# Altium PCB 3-as-manufactured.pcbdoc (part 4 of 12) (continued)
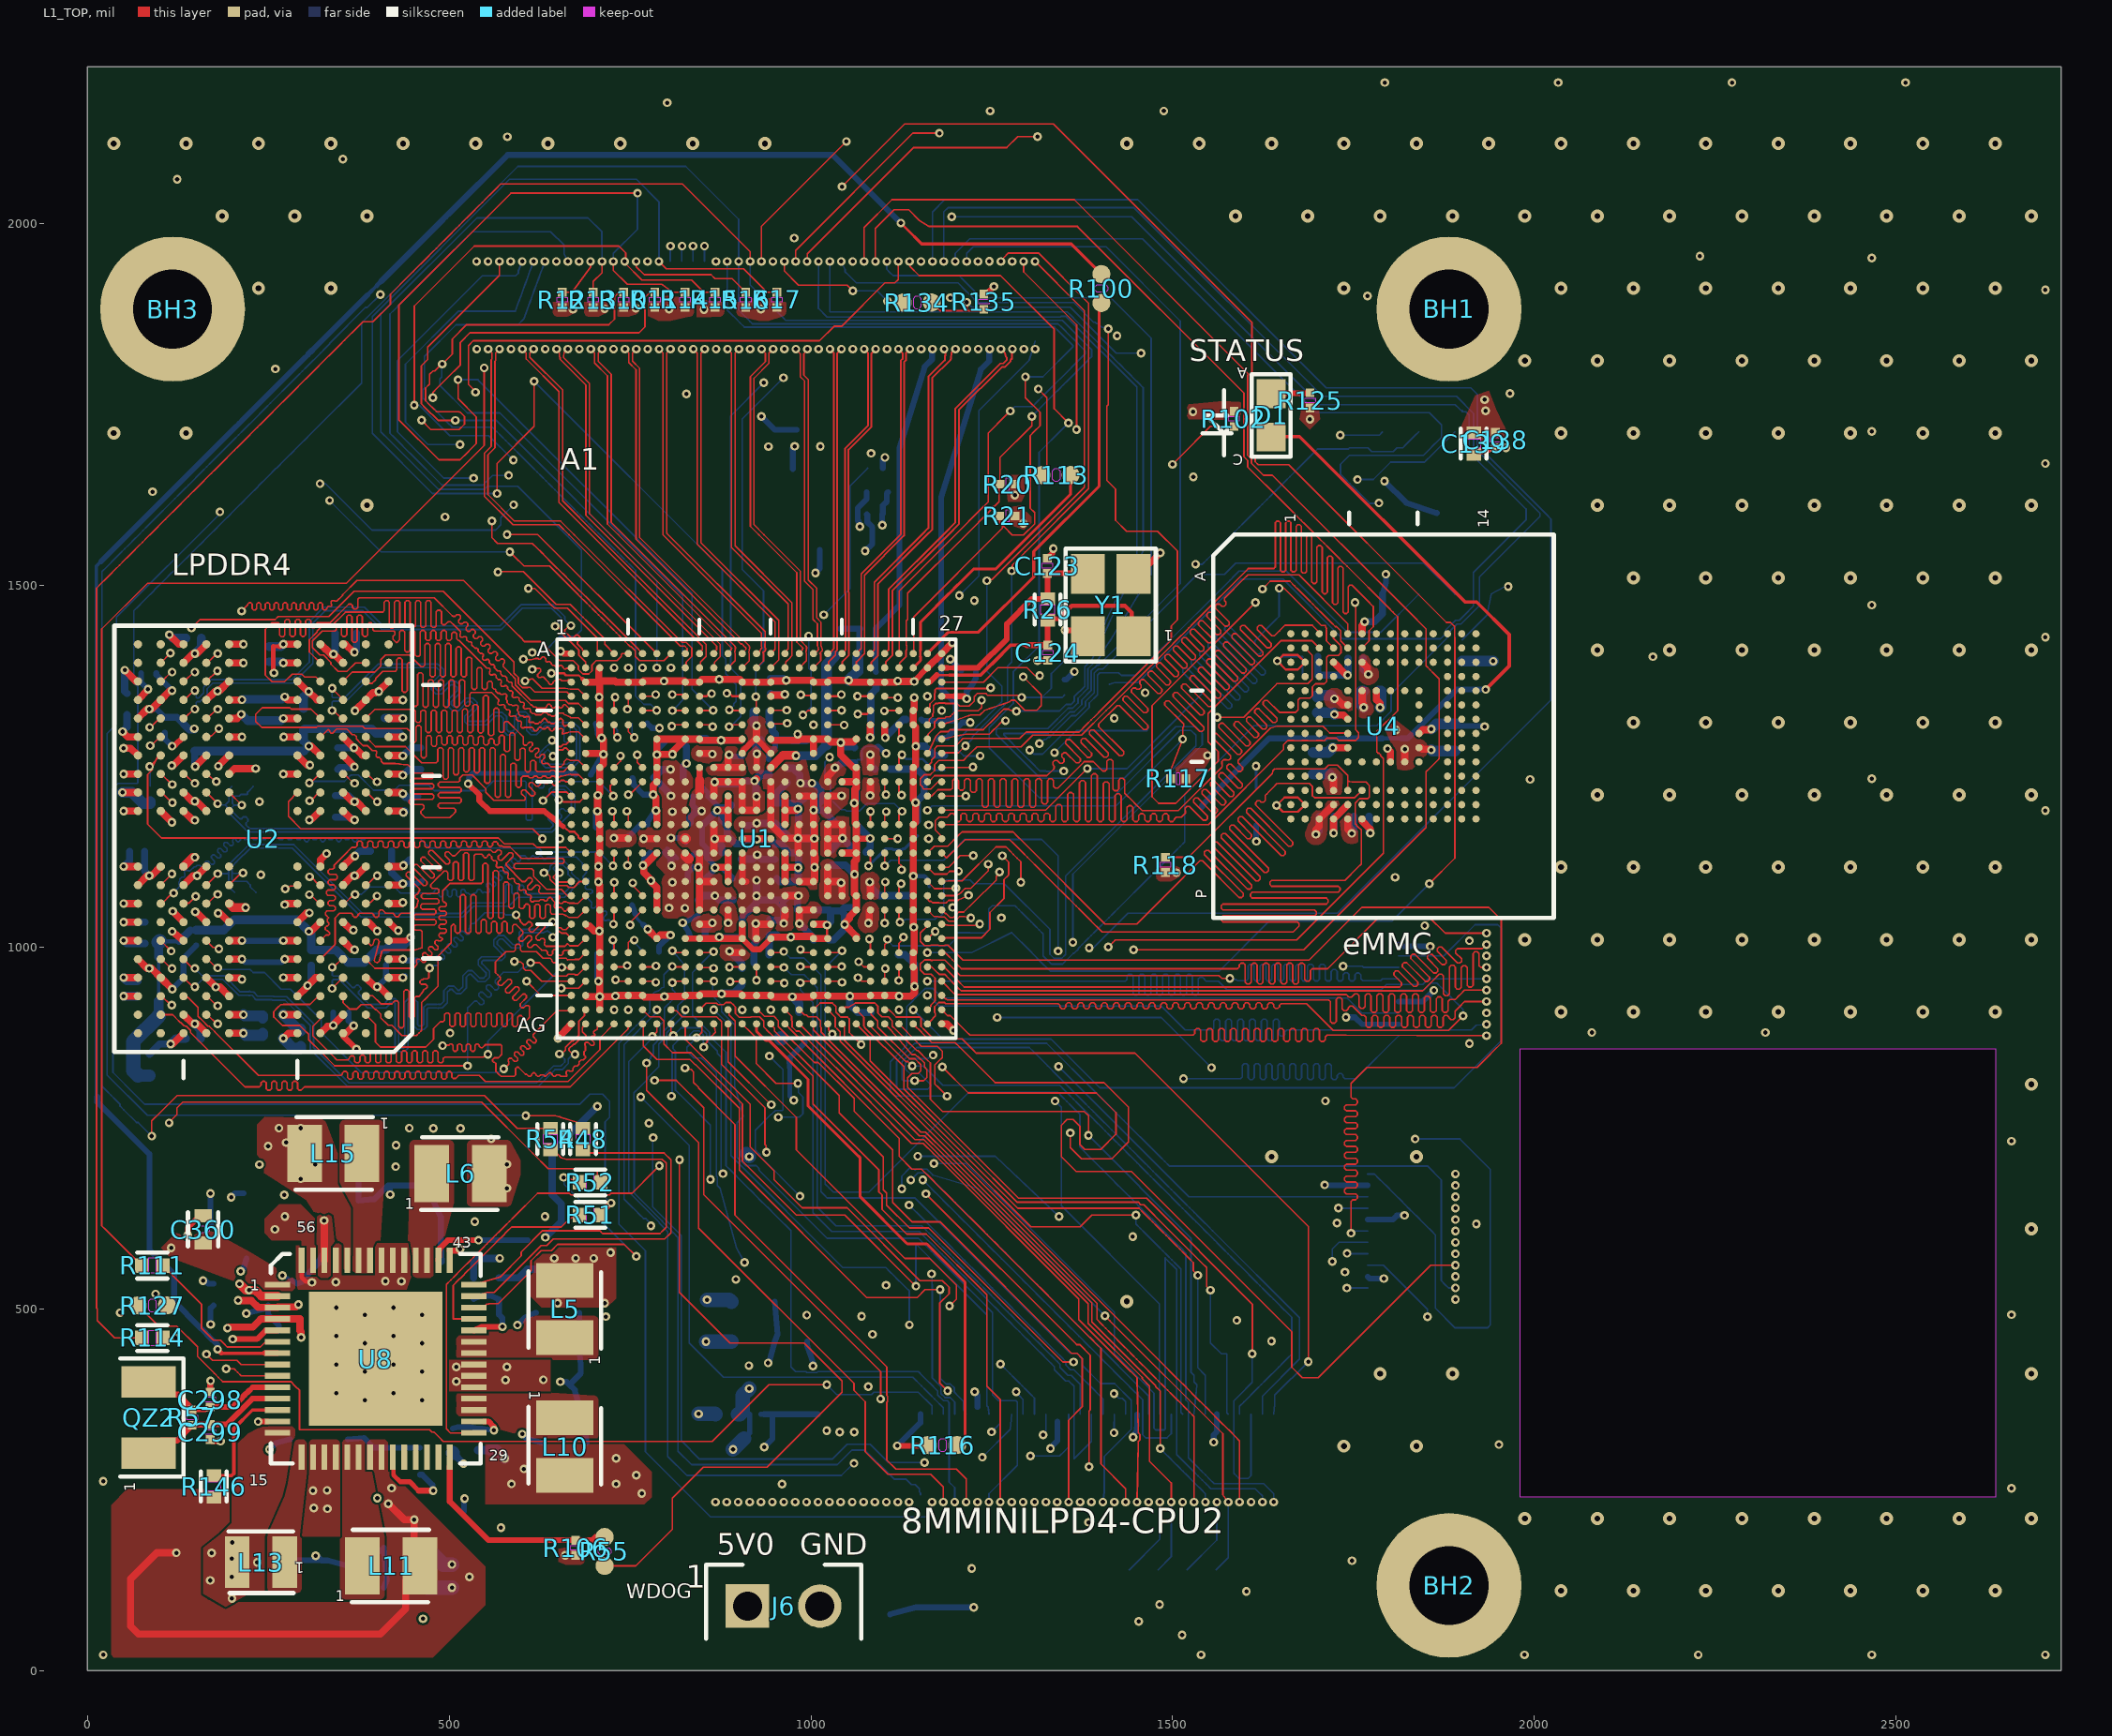
[diagram p0: L1_TOP view]
## Nets (pads, with @x,y where several pads share a name; then routed paths per layer and width w, separated by ;. In a path a pad name is that pad's centre, name@x,y a point inside that pad or via, vN(x,y) a via of type N, cw(c..) or ccw(c..) an arc to the next point about the centre after c; other vN are vias at no path point) (continued)
DRAMB_DATA4: U1.V2 U2.E4 | length 853.9
  L1_TOP w2.2: U2.E4@322.07,983.56 342.1,1003.6 342.58,1004.08 342.58,1040.67 348.91,1047 356.56,1047 364.86,1047 367.02,1044.84 367.02,1043.56 369.18,1041.4 372.06,1041.4 374.22,1043.56 374.22,1044.84 376.38,1047 393.66,1047 395.82,1044.84 395.82,1043.56 397.98,1041.4 400.86,1041.4 403.02,1043.56 403.02,1049.16 405.18,1051.32 408.06,1051.32 410.22,1049.16 412.38,1047 422.46,1047 424.62,1044.84 424.62,1044.18 426.78,1042.02 429.66,1042.02 431.82,1044.18 431.82,1044.84 433.98,1047 438.52,1047 446,1047 454,1055 455.25,1055.72 457.73,1064.84 455.69,1066.88 454.69,1066.88 452.65,1068.92 452.65,1070.92 454.69,1072.96 455.69,1072.96 457.73,1074.99 457.73,1075.98 458.39,1076.65 459.17,1077.43 459.17,1080.48 440.9,1098.75 440.9,1101.81 442.93,1103.84 445.99,1103.84 464.53,1085.3 467.58,1085.3 469.62,1087.34 469.62,1090.4 450.94,1109.08 450.94,1112.13 452.98,1114.17 456.03,1114.17 474.65,1095.55 477.71,1095.55 479.74,1097.58 479.74,1100.64 461.12,1119.26 461.12,1122.31 463.16,1124.35 466.21,1124.35 484.83,1105.73 487.89,1105.73 489.92,1107.77 489.92,1110.82 471.9,1128.85 471.9,1131.9 473.94,1133.94 476.99,1133.94 495.9,1115.03 498.95,1115.03 500.99,1117.07 500.99,1120.12 494.32,1126.8 494.32,1129.85 496.35,1131.89 499.41,1131.89 504.99,1126.3 508.05,1126.3 514.18,1132.44 516.3,1134.55 557.55,1134.55 560,1132.11 560.78,1131.33 563.83,1131.33 566.93,1134.43 569.99,1134.43 572.02,1132.39 572.02,1129.34 567.86,1125.18 567.86,1122.12 569.9,1120.09 572.96,1120.09 583.3,1130.43 586.35,1130.43 588.39,1128.39 588.39,1125.34 579.11,1116.06 579.11,1113 601.51,1090.6 604.56,1090.6 609.88,1095.92 612.94,1095.92 614.97,1093.88 614.97,1090.83 608.59,1084.45 608.59,1081.39 610.63,1079.36 613.69,1079.36 620.07,1085.74 623.12,1085.74 625.16,1083.7 625.16,1080.65 624.1,1079.59 624.1,1076.53 626.26,1074.37 649,1074.37 652.78,1070.6 652.78,1067.54 651.1,1065.86 651.1,1062.8 653.13,1060.77 656.19,1060.77 658.27,1062.85 661.32,1062.85 663.62,1061.94 664.74,1061.5 666.02,1060.98 672.91,1060.97 673.2,1060.68 678.19,1060.68 U1.V2@688.67,1071.16
DRAMB_DATA5: U1.V1 U2.F4 | length 885.7
  L1_TOP w2.2: U2.F4@322.09,1009.13 329.77,1016.82 333.76,1016.82 335.05,1018.11 335.05,1019.93 331.92,1023.06 330.92,1023.06 328.88,1025.09 328.88,1027.1 330.92,1029.13 331.92,1029.13 333.95,1031.17 333.95,1033.17 331.92,1035.21 331.92,1036.66 331.92,1039.21 333.52,1040.81 331.36,1042.97 329.18,1045.13 329.18,1048.01 331.34,1050.17 340.56,1050.17 342.72,1052.33 342.72,1055.21 340.56,1057.37 335.08,1057.37 332.92,1059.53 332.92,1062.41 335.08,1064.57 340.56,1064.57 342.72,1066.73 342.72,1069.61 340.56,1071.77 332.63,1071.77 330.47,1073.93 330.47,1076.81 332.63,1078.97 340.56,1078.97 342.72,1081.13 342.72,1084.01 340.56,1086.17 335.08,1086.17 332.92,1088.33 332.92,1091.21 335.08,1093.37 343.52,1093.37 345.68,1095.53 345.68,1098.41 343.52,1100.57 335.08,1100.57 332.92,1102.73 332.92,1105.61 335.08,1107.77 339.24,1107.77 341.4,1109.93 341.4,1113.85 354.38,1126.83 365.53,1137.98 369.77,1137.98 370.87,1137.98 373.03,1140.14 373.03,1144.64 375.19,1146.8 378.07,1146.8 380.23,1144.64 380.23,1139.77 382.39,1137.61 385.27,1137.61 387.43,1139.77 387.43,1144.64 389.59,1146.8 392.47,1146.8 394.63,1144.64 394.63,1139.77 396.79,1137.61 399.67,1137.61 401.83,1139.77 401.83,1144.64 403.99,1146.8 406.87,1146.8 409.03,1144.64 409.03,1139.77 411.19,1137.61 414.07,1137.61 416.23,1139.77 416.23,1144.64 418.39,1146.8 421.27,1146.8 423.43,1144.64 423.43,1139.77 425.59,1137.61 428.47,1137.61 430.63,1139.77 430.63,1144.64 432.79,1146.8 435.67,1146.8 437.83,1144.64 437.83,1139.77 439.99,1137.61 442.87,1137.61 445.03,1139.77 445.03,1144.64 447.19,1146.8 450.07,1146.8 452.23,1144.64 452.23,1139.77 454.39,1137.61 457.27,1137.61 459.43,1139.77 459.43,1144.64 461.59,1146.8 464.47,1146.8 466.63,1144.64 466.63,1139.77 468.79,1137.61 471.67,1137.61 473.83,1139.77 473.83,1144.64 475.99,1146.8 478.87,1146.8 481.03,1144.64 481.03,1139.77 483.19,1137.61 486.07,1137.61 488.23,1139.77 488.23,1144.64 490.39,1146.8 493.27,1146.8 495.43,1144.64 495.43,1139.77 497.59,1137.61 500.47,1137.61 502.63,1139.77 502.63,1144.64 504.79,1146.8 507.67,1146.8 509.83,1144.64 509.83,1140.91 511.99,1138.75 514.87,1138.75 517.03,1140.91 517.03,1144.64 519.19,1146.8 522.07,1146.8 524.23,1144.64 524.23,1140.91 526.39,1138.75 529.27,1138.75 531.43,1140.91 531.43,1144.64 533.59,1146.8 536.47,1146.8 538.63,1144.64 538.63,1140.91 540.79,1138.75 543.67,1138.75 545.83,1140.91 545.83,1144.64 547.99,1146.8 550.87,1146.8 553.03,1144.64 553.03,1140.91 555.19,1138.75 558.07,1138.75 560.23,1140.91 560.23,1143.72 562.39,1145.88 565.27,1145.88 567.43,1143.72 567.43,1142.16 569.59,1140 573.32,1140 574.72,1138.6 577.82,1138.6 584.12,1138.6 598.83,1123.89 599.93,1122.79 656.84,1122.79 659,1120.63 659,1117.75 656.84,1115.59 591.82,1115.59 589.66,1113.43 589.66,1110.55 591.82,1108.39 614.33,1108.39 617,1105.72 617,1099.09 617,1097.8 634.72,1080.07 655.02,1080.07 663.94,1071.16 U1.V1@668.98,1071.16
DRAMB_DATA6: U1.AC1 U2.B4 | length 696.4
  L1_TOP w2.2: U2.B4@322.07,906.79 322.07,900.98 316.89,895.81 311.72,890.64 311.72,877.7 339.44,849.98 344.98,844.44 354.13,844.44 360.28,844.44 362.44,846.6 362.44,847.72 364.6,849.88 367.48,849.88 369.64,847.72 369.64,842.51 371.8,840.35 374.68,840.35 376.84,842.51 376.84,848.94 379,851.1 381.88,851.1 384.04,848.94 384.04,842.51 386.2,840.35 389.08,840.35 391.24,842.51 391.24,854.68 393.4,856.84 396.28,856.84 398.44,854.68 398.44,842.51 400.6,840.35 403.48,840.35 405.64,842.51 405.64,854.68 407.8,856.84 410.68,856.84 412.84,854.68 412.84,842.51 415,840.35 417.88,840.35 420.04,842.51 420.04,854.68 422.2,856.84 425.08,856.84 427.24,854.68 427.24,842.51 429.4,840.35 432.28,840.35 434.44,842.51 434.44,854.68 436.6,856.84 439.48,856.84 441.64,854.68 441.64,842.51 443.8,840.35 446.68,840.35 448.84,842.51 448.84,854.68 451,856.84 453.88,856.84 456.04,854.68 456.04,842.51 458.2,840.35 461.08,840.35 463.24,842.51 463.24,854.68 465.4,856.84 468.28,856.84 470.44,854.68 470.44,842.51 472.6,840.35 475.48,840.35 477.64,842.51 477.64,854.68 479.8,856.84 482.68,856.84 484.84,854.68 484.84,842.51 487,840.35 489.88,840.35 492.04,842.51 492.04,846.04 494.2,848.2 495.31,848.2 547.58,848.2 549.35,849.98 551.68,849.98 551.73,849.93 v1(553.76,851.97) ; v1(655.62,972.21) 662.4,972.21 665.41,969.19 U1.AC1@668.98,972.74
  L8_BOT w2.2: v1(553.76,851.97) 553.76,870.35 642.89,959.47 649.26,965.84 v1(655.62,972.21)
DRAMB_DATA7: U1.AC2 U2.C4 | length 726.1
  L1_TOP w2.2: 270.85,921 307.99,921 319.37,932.38 U2.C4@322.07,932.38 ; 270.94,920.98 267.56,920.83 262.69,915.96 257.83,911.09 257.83,903.63 269.57,891.89 293.77,891.89 299.8,885.86 305.83,879.83 305.83,872.31 311.85,866.28 317.88,860.26 323.91,854.23 341.99,836.15 525.52,836.15 v1(525.66,836.01) ; v1(612.69,978.53) 625.1,978.53 643.3,960.33 662.34,960.33 664.9,962.9 673.06,962.9 674.2,961.76 677.69,961.76 U1.AC2@688.67,972.74
  L8_BOT w2.2: v1(525.66,836.01) 525.66,916.14 529.26,919.74 535.13,925.61 538.18,925.61 542.99,920.8 546.05,920.8 548.08,922.84 548.08,925.89 541.3,932.68 541.3,935.73 543.33,937.77 546.39,937.77 553.17,930.98 556.23,930.98 558.27,933.02 558.27,936.08 551.48,942.86 551.48,945.92 553.52,947.95 556.57,947.95 563.36,941.17 566.41,941.17 568.45,943.2 568.45,946.26 563.64,951.07 563.64,954.12 573.76,964.24 574.88,965.36 595.14,965.36 601.55,971.77 605.93,971.77 v1(612.69,978.53)
DRAMB_DATA8: U1.AG5 U2.B11 | length 806.4
  L1_TOP w2.08: U2.B11@101.6,906.79 118.21,906.79 122.3,902.7 122.3,902.32 128.62,896 129,896 133.58,891.42 134.74,891.42 135.32,890.84 137.08,890.84 142.73,885.19 142.73,882.27 217.99,807.01
  L1_TOP w2.2: 217.99,807.01 237,807.01 238.1,807.01 240.26,809.17 240.26,812.72 242.42,814.88 245.3,814.88 247.46,812.72 247.46,804.54 249.62,802.38 252.5,802.38 254.66,804.54 254.66,812.72 256.82,814.88 259.7,814.88 261.86,812.72 261.86,804.54 264.02,802.38 266.9,802.38 269.06,804.54 269.06,812.72 271.22,814.88 274.1,814.88 276.26,812.72 276.26,804.54 278.42,802.38 281.3,802.38 283.46,804.54 283.46,812.72 285.62,814.88 288.5,814.88 290.66,812.72 290.66,804.62 292.82,802.46 295.7,802.46 297.86,804.62 297.86,804.85 300.02,807.01 354,807.01 667.47,807.01 747.44,886.98 747.44,893.7 U1.AG5@747.73,893.99
DRAMB_DATA9: U1.AF5 U2.C11 | length 739.6
  L1_TOP w2.2: U2.C11@101.6,932.38 103,932.38 115.48,919.9 v1(116.89,919.9)
  L3_INNER1 w2.2: v1(116.89,919.9) 137.92,919.9 183.76,874.06 183.76,860.24 224,820 488,820 552.67,884.67 718.72,884.67 v1(747.73,913.68)
DRAMB_DATA10: U1.AD2 U2.E11 | length 779.5
  L1_TOP w2.2: U2.E11@101.6,983.56 102.89,983.56 115.88,970.57 v1(117.17,970.57) ; v1(655.02,943.3) 664.8,943.3 664.9,943.2 673.06,943.2 673.16,943.3 678.92,943.3 U1.AD2@688.67,953.05
  L3_INNER1 w2.2: v1(117.17,970.57) 134.05,970.57 148.84,955.78 193.04,955.78 220.82,928 451.6,928 466.91,943.3 489.83,943.3 490.93,943.3 493.09,945.46 493.09,948.81 495.25,950.97 498.13,950.97 500.29,948.81 500.29,938.2 502.45,936.04 505.33,936.04 507.49,938.2 507.49,948.81 509.65,950.97 512.53,950.97 514.69,948.81 514.69,938.2 516.85,936.04 519.73,936.04 521.89,938.2 521.89,948.81 524.05,950.97 526.93,950.97 529.09,948.81 529.09,938.2 531.25,936.04 534.13,936.04 536.29,938.2 536.29,948.81 538.45,950.97 541.33,950.97 543.49,948.81 543.49,938.2 545.65,936.04 548.53,936.04 550.69,938.2 550.69,948.81 552.85,950.97 555.73,950.97 557.89,948.81 557.89,938.2 560.05,936.04 562.93,936.04 565.09,938.2 565.09,948.81 567.25,950.97 570.13,950.97 572.29,948.81 572.29,938.2 574.45,936.04 577.33,936.04 579.49,938.2 579.49,948.81 581.65,950.97 584.53,950.97 586.69,948.81 586.69,945.46 588.85,943.3 592.63,943.3 v1(655.02,943.3)
DRAMB_DATA11: U1.AD1 U2.F11 | length 719.3
  L1_TOP w2.2: U2.F11@101.6,1009.15 v1(116.02,994.73) ; v1(590.3,980.31) 590.87,979.73 599.16,979.73 601.82,977.07 602.78,977.07 602.78,971.01 605.77,968.02 612.97,968.02 627.94,953.05 U1.AD1@668.98,953.05
  L3_INNER1 w2.2: v1(116.02,994.73) 149.04,994.73 156.77,987 188.04,987 205.04,970 220,970 221.1,970 223.26,972.16 223.26,975.83 225.42,977.99 228.3,977.99 230.46,975.83 230.46,961.38 232.62,959.22 235.5,959.22 237.66,961.38 237.66,978.76 239.82,980.92 242.7,980.92 244.86,978.76 244.86,961.38 247.02,959.22 249.9,959.22 252.06,961.38 252.06,977.13 254.22,979.29 257.1,979.29 259.26,977.13 259.26,970.69 261.42,968.53 264.3,968.53 266.46,970.69 ; 266.46,970.73 268.62,972.89 271.5,972.89 273.66,970.73 275.82,968.57 278.7,968.57 280.86,970.73 280.86,972.16 283.02,974.32 285.9,974.32 288.06,972.16 290.22,970 307.85,970 309,970 320,959 411,959 426,944 452,944 467,959 570,959 590.3,979.3 v1(590.3,980.31)
DRAMB_DATA12: U1.AE1 U2.F9 | length 707
  L1_TOP w2.2: U2.F9@164.59,1009.15 173.86,999.88 179.65,999.88 v1(181.93,997.6) ; v1(607.33,953.03) 627,933.36 U1.AE1@668.98,933.36
  L3_INNER1 w2.2: v1(181.93,997.6) 182.69,998.36 333.16,998.36 361.96,969.56 446.92,969.56 460.19,982.83 484,982.83 485.1,982.83 487.26,984.99 487.26,987.06 489.42,989.22 492.3,989.22 494.46,987.06 494.46,977.59 496.62,975.43 499.5,975.43 501.66,977.59 501.66,987.06 503.82,989.22 506.7,989.22 508.86,987.06 508.86,977.59 511.02,975.43 513.9,975.43 516.06,977.59 516.06,987.06 518.22,989.22 521.1,989.22 523.26,987.06 523.26,977.59 525.42,975.43 528.3,975.43 530.46,977.59 530.46,987.06 532.62,989.22 535.5,989.22 537.66,987.06 537.66,977.59 539.82,975.43 542.7,975.43 544.86,977.59 544.86,987.06 547.02,989.22 549.9,989.22 552.06,987.06 552.06,977.59 554.22,975.43 557.1,975.43 559.26,977.59 559.26,987.06 561.42,989.22 564.3,989.22 566.46,987.06 566.46,977.59 568.62,975.43 571.5,975.43 573.66,977.59 573.66,984.28 576.71,987.33 581.28,991.89 584.35,991.89 ; 584.35,992.09 597.77,992.1 603.1,986.77 603.1,959.91 607.33,955.68 v1(607.33,953.03)
DRAMB_DATA13: U1.AF1 U2.E9 | length 682.2
  L1_TOP w2.2: U2.E9@164.59,983.56 166.4,983.56 178.51,971.45 v1(180.33,971.45) ; v1(575.72,831.79) 579.13,835.2 582.54,838.61 582.54,841.49 581.83,842.2 581.83,845.08 583.25,846.5 586.13,846.5 590.43,842.2 593.31,842.2 594.72,843.62 594.72,846.5 590.43,850.79 590.43,853.68 591.84,855.09 594.72,855.09 599.02,850.79 601.9,850.79 603.31,852.21 603.31,855.09 599.02,859.39 599.02,862.27 600.43,863.68 603.31,863.68 607.61,859.39 610.49,859.39 611.91,860.8 611.91,863.68 607.61,867.98 607.61,870.86 609.03,872.28 611.91,872.28 616.2,867.98 619.08,867.98 620.5,869.39 620.5,872.28 616.2,876.57 616.2,879.45 648.94,912.19 667.49,912.19 U1.AF1@668.98,913.68
  L8_BOT w2.2: v1(180.33,971.45) 182.33,969.45 225,969.45 226.29,968.16 226.29,968.03 229.28,965.04 244.96,965.04 267.99,942.01 280.52,942.01 323.34,899.18 323.34,882.08 378.51,826.91 568.19,826.91 573.07,831.79 v1(575.72,831.79)
DRAMB_DATA14: U1.AG3 U2.C9 | length 811.5
  L1_TOP w2.2: U2.C9@164.59,932.38 165.79,932.38 179.13,919.04 v1(180.33,919.04) ; v1(491,864) 491.72,864.72 499.86,864.72 501.42,866.28 503.43,866.28 505.46,864.25 505.46,858.17 507.5,856.13 509.5,856.13 511.54,858.17 511.54,864.25 513.57,866.28 515.58,866.28 517.61,864.25 517.61,858.17 519.65,856.13 521.65,856.13 523.69,858.17 523.69,864.25 525.73,866.28 527.73,866.28 529.76,864.25 529.76,858.17 531.8,856.13 533.8,856.13 535.84,858.17 535.84,864.25 537.88,866.28 539.88,866.28 541.92,864.25 541.92,863.25 543.95,861.21 545.95,861.21 549.95,865.21 571.51,865.21 572.79,863.92 572.79,851.97 567.89,847.07 562.65,847.07 560.11,844.53 560.11,842.71 561.82,841 562.82,841 564.86,838.96 564.86,833.7 564.86,828.44 568.35,824.94 571.8,821.49 590.02,821.49 592.01,823.48 592.01,832.21 594,834.2 595.82,834.2 605.54,824.48 607.16,824.48 610.2,821.45 612.2,821.45 614.24,823.48 614.24,824.48 616.28,826.52 618.28,826.52 620.32,824.48 620.32,823.48 622.35,821.45 624.35,821.45 626.39,823.48 630.39,823.48 632.05,821.82 633.88,821.82 636.47,824.42 636.47,824.48 638.51,826.52 640.51,826.52 642.55,824.48 642.55,823.48 644.58,821.45 646.58,821.45 648.62,823.48 652.63,823.48 654.66,821.45 656.66,821.45 662.61,821.45 662.61,824.33 661.9,825.03 661.9,827.91 663.32,829.33 666.2,829.33 666.9,828.62 669.78,828.62 671.2,830.04 671.2,832.92 674.03,835.75 676.91,835.75 678.33,837.16 679.74,838.58 679.74,841.46 682.57,844.29 685.46,844.29 686.87,845.71 688.42,847.26 688.42,849.26 686.39,851.3 686.39,855.3 688.42,857.34 688.42,859.34 688.42,860.67 688.42,863.55 687.72,864.26 687.72,867.14 689.13,868.55 692.01,868.55 696.31,864.26 699.19,864.26 700.6,865.67 700.6,868.55 696.31,872.85 696.31,875.73 697.72,877.14 700.46,877.14 701.75,878.43 701.75,879.06 699.71,881.1 699.71,883.1 701.75,885.14 702.75,885.14 704.78,887.18 704.78,890.43 U1.AG3@708.35,893.99
  L3_INNER1 w2.2: v1(180.33,919.04) 200,899.37 200,877 227.07,849.93 476.93,849.93 v1(491,864)
DRAMB_DATA15: U1.AF4 U2.B9 | length 801.3
  L1_TOP w2.2: U2.B9@164.59,906.79 166.06,906.79 178.86,893.99 v1(180.33,893.99)
  L3_INNER1 w2.2: v1(180.33,893.99) 192.38,881.94 192.38,871.62 224.73,839.27 239.73,839.27 241.76,837.23 245.77,837.23 247.8,839.27 249.81,839.27 251.84,837.23 251.84,836.23 253.88,834.2 255.88,834.2 257.92,836.23 257.92,837.23 259.96,839.27 261.96,839.27 263.99,837.23 268,837.23 270.04,839.27 272.04,839.27 274.07,837.23 274.07,836.23 276.11,834.2 278.11,834.2 280.15,836.23 280.15,837.23 282.19,839.27 284.19,839.27 286.23,837.23 290.23,837.23 292.27,839.27 294.27,839.27 296.3,837.23 296.3,836.23 298.34,834.2 300.34,834.2 302.38,836.23 302.38,837.23 304.42,839.27 306.42,839.27 308.46,837.23 312.46,837.23 314.5,839.27 316.5,839.27 318.54,837.23 318.54,836.23 320.57,834.2 322.57,834.2 324.61,836.23 324.61,837.23 326.65,839.27 328.65,839.27 330.69,837.23 334.69,837.23 336.73,839.27 338.73,839.27 340.77,837.23 340.77,836.23 342.8,834.2 344.8,834.2 346.84,836.23 346.84,837.23 348.88,839.27 350.88,839.27 352.92,837.23 356.92,837.23 358.96,839.27 360.96,839.27 363,837.23 363,836.23 365.03,834.2 367.04,834.2 369.07,836.23 369.07,837.23 371.11,839.27 373.11,839.27 375.15,837.23 379.15,837.23 381.19,839.27 383.19,839.27 385.23,837.23 385.23,836.23 387.26,834.2 389.27,834.2 391.3,836.23 391.3,842.31 393.34,844.35 395.34,844.35 397.38,842.31 397.38,836.23 399.42,834.2 401.42,834.2 403.45,836.23 403.45,842.31 405.49,844.35 407.49,844.35 409.53,842.31 409.53,836.23 411.57,834.2 413.57,834.2 415.61,836.23 415.61,842.31 417.64,844.35 419.64,844.35 421.68,842.31 421.68,836.23 423.72,834.2 425.72,834.2 427.76,836.23 427.76,842.31 429.79,844.35 431.8,844.35 433.83,842.31 433.83,836.23 435.87,834.2 437.87,834.2 439.91,836.23 439.91,842.31 441.94,844.35 443.95,844.35 445.98,842.31 445.98,836.23 448.02,834.2 450.02,834.2 452.06,836.23 452.06,842.31 454.1,844.35 456.1,844.35 458.13,842.31 458.13,836.23 460.17,834.2 462.17,834.2 464.21,836.23 464.21,842.31 466.25,844.35 468.25,844.35 470.29,842.31 470.29,836.23 472.32,834.2 474.32,834.2 476.36,836.23 476.36,842.31 478.4,844.35 480.4,844.35 482.44,842.31 482.44,836.23 484.47,834.2 486.94,834.2 549.74,897 711.36,897 v1(728.04,913.68)
DRAMB_DMI0: U1.AB1 U2.C3 | length 860.2
  L1_TOP w2.2: U2.C3@353.57,932.38 353.57,923.48 362.42,914.63 372.63,914.63 378.58,920.58 391.43,920.58 398.12,913.89 399.2,913.89 405.76,907.33 405.76,902.32 416.08,892 421.03,892 435.09,877.94 455,877.94 458.61,881.58 462.23,885.21 462.23,923.64 467.87,929.29 473.51,934.93 484.8,946.22 484.8,987.8 503,1006 503,1029 504.94,1030.94 506,1032 506.19,1032 508.35,1029.84 508.35,1021.55 510.51,1019.39 513.39,1019.39 515.55,1021.55 515.55,1070.33 517.71,1072.49 520.59,1072.49 522.75,1070.33 522.75,1021.55 524.91,1019.39 527.79,1019.39 529.95,1021.55 529.95,1070.33 532.11,1072.49 534.99,1072.49 537.15,1070.33 537.15,1021.55 539.31,1019.39 542.19,1019.39 544.35,1021.55 544.35,1036.07 546.51,1038.23 549.39,1038.23 551.55,1036.07 551.55,1021.55 553.71,1019.39 556.59,1019.39 558.75,1021.55 558.75,1033.44 560.91,1035.6 563.79,1035.6 565.95,1033.44 565.95,1021.55 568.11,1019.39 570.99,1019.39 573.15,1021.55 573.15,1033.44 575.31,1035.6 578.19,1035.6 580.35,1033.44 580.35,1021.55 582.51,1019.39 585.39,1019.39 587.55,1021.55 587.55,1029.09 589.71,1031.25 592.76,1031.25 593.86,1030.15 596.21,1027.8 602.08,1021.93 602.08,1018.88 596.61,1013.42 596.61,1010.36 598.65,1008.33 601.71,1008.33 609.2,1015.82 612.25,1015.82 614.29,1013.78 614.29,1010.72 608.38,1004.82 608.38,1001.76 610.42,999.73 613.47,999.73 617.35,1003.61 620.41,1003.61 627,997.01 627.1,996.91 628.05,995.96 633.73,995.96 635.89,993.8 635.89,991 638.05,988.84 640.93,988.84 643.09,991 643.09,994.91 645.25,997.07 648.13,997.07 650.29,994.91 650.29,991 652.45,988.84 655.33,988.84 657.49,991 657.49,993.8 659.65,995.96 660.75,995.96 665.41,995.96 U1.AB1@668.98,992.42
DRAMB_DMI1: U1.AG4 U2.C10 | length 864.2
  L1_TOP w2.08: 169.73,889.68 176.02,883.39
  L1_TOP w2.09: 153.15,904.59 159.44,898.3
  L1_TOP w2.2: U2.C10@133.09,932.38 134.87,930.6 139.4,930.6 153.15,916.85 153.15,904.59 ; 159.44,898.3 166.91,890.83 168.58,890.83 169.73,889.68 ; 176.02,883.37 236.52,822.87 349.47,822.87 350.57,822.87 352.73,825.03 352.73,826.14 354.89,828.3 357.77,828.3 359.93,826.14 359.93,819.98 362.09,817.82 364.97,817.82 367.13,819.98 367.13,826.14 369.29,828.3 372.17,828.3 374.33,826.14 374.33,819.98 376.49,817.82 379.37,817.82 381.53,819.98 381.53,826.14 383.69,828.3 386.57,828.3 388.73,826.14 388.73,819.98 390.89,817.82 393.77,817.82 395.93,819.98 395.93,826.14 398.09,828.3 400.97,828.3 403.13,826.14 403.13,819.98 405.29,817.82 408.17,817.82 410.33,819.98 410.33,826.14 412.49,828.3 415.37,828.3 417.53,826.14 417.53,819.98 419.69,817.82 422.57,817.82 424.73,819.98 424.73,826.14 426.89,828.3 429.77,828.3 431.93,826.14 431.93,819.98 434.09,817.82 436.97,817.82 439.13,819.98 439.13,826.14 441.29,828.3 444.17,828.3 446.33,826.14 446.33,819.98 448.49,817.82 451.37,817.82 453.53,819.98 453.53,826.14 455.69,828.3 458.57,828.3 460.73,826.14 460.73,819.98 462.89,817.82 465.77,817.82 467.93,819.98 467.93,826.14 470.09,828.3 472.97,828.3 475.13,826.14 475.13,819.98 477.29,817.82 480.17,817.82 482.33,819.98 482.33,826.14 484.49,828.3 487.37,828.3 489.53,826.14 489.53,819.98 491.69,817.82 494.57,817.82 496.73,819.98 496.73,826.11 498.89,828.27 501.77,828.27 503.93,826.11 503.93,820.71 506.09,818.55 508.97,818.55 511.13,820.71 513.29,822.87 515.66,822.87 541.89,822.87 550.32,814.44 664.54,814.44 708.49,858.4 708.49,874.44 U1.AG4@728.04,893.99
DRAMB_nCS0: U1.V4 U2.H4 | length 708.2
  L1_TOP w2.2: v1(307,1072.65) 308.38,1072.65 320.69,1060.33 U2.H4@322.07,1060.33 ; U1.V4@728.04,1071.16 728.04,1088.81 728.08,1088.85 728.08,1089.56 v1(728.21,1089.69)
  L3_INNER1 w2.2: v1@306.99,1072.66 315.04,1072.66 321.17,1066.53 323.2,1068.57 323.2,1069.57 325.24,1071.61 327.24,1071.61 329.28,1069.57 329.28,1068.57 331.32,1066.53 344.25,1066.53 344.96,1067.24 347.84,1067.24 349.26,1065.82 349.26,1062.94 344.96,1058.65 344.96,1055.77 346.38,1054.35 349.26,1054.35 353.55,1058.65 356.43,1058.65 357.85,1057.23 357.85,1054.01 359.14,1052.72 360.96,1052.72 362.74,1054.5 364.56,1054.5 366.18,1052.87 366.18,1051.87 384.42,1033.63 453.37,1033.63 472,1015 620,1015 644,991 756.52,991 770.66,1005.13 770.66,1012.2 762.89,1019.97 762.89,1044.97 765.01,1047.08 765.01,1099.76 763.86,1100.91 742.23,1100.91 736.72,1095.39 733.9,1095.39 v1(728.21,1089.69)
DRAMB_nCS1: U1.W4 U2.H3 | length 712.5
  L1_TOP w2.2: U2.H3@353.57,1060.33 355.45,1060.33 368.12,1073 v1(370,1073) ; v1(727.24,1031.9) 728.04,1032.7 U1.W4@728.04,1051.48
  L8_BOT w2.2: v1(370,1073) 370.13,1073.13 379.17,1073.13 384.28,1078.24 389.39,1083.34 398.14,1083.34 406.9,1083.34 415.66,1083.34 424.41,1083.34 428.64,1079.11 432.87,1074.88 441.09,1074.88 449.31,1074.88 457.53,1074.88 465.75,1074.88 467.75,1074.88 469.79,1072.85 473.79,1072.85 475.83,1074.88 477.83,1074.88 479.87,1076.92 479.87,1077.92 481.91,1079.96 483.91,1079.96 485.95,1077.92 485.95,1071.84 487.98,1069.81 489.98,1069.81 492.02,1071.84 492.02,1077.92 494.06,1079.96 496.06,1079.96 498.1,1077.92 498.1,1071.84 500.13,1069.81 502.14,1069.81 504.17,1071.84 504.17,1077.92 506.21,1079.96 508.21,1079.96 510.25,1077.92 510.25,1071.84 512.28,1069.81 514.29,1069.81 516.32,1071.84 516.32,1077.92 518.36,1079.96 520.36,1079.96 522.4,1077.92 522.4,1076.92 524.44,1074.88 526.44,1074.88 528.47,1072.85 532.48,1072.85 534.52,1074.88 536.52,1074.88 538.55,1076.92 538.55,1077.92 540.59,1079.96 542.59,1079.96 544.63,1077.92 544.63,1076.92 546.67,1074.88 548.07,1076.28 550.95,1076.28 551.66,1075.58 554.54,1075.58 555.95,1076.99 555.95,1079.87 551.66,1084.17 551.66,1087.05 553.07,1088.46 555.95,1088.46 560.25,1084.17 563.13,1084.17 564.54,1085.58 564.54,1088.46 560.25,1092.76 560.25,1095.64 561.66,1097.06 564.54,1097.06 568.84,1092.76 571.72,1092.76 573.14,1094.18 573.14,1097.06 568.84,1101.35 568.84,1104.23 570.26,1105.65 573.14,1105.65 577.43,1101.35 580.31,1101.35 581.73,1102.77 581.73,1105.65 577.43,1109.94 577.43,1112.82 578.85,1114.24 581.73,1114.24 586.02,1109.94 588.91,1109.94 590.32,1111.36 590.32,1114.24 586.02,1118.54 586.02,1121.42 587.44,1122.83 590.32,1122.83 594.62,1118.54 597.5,1118.54 598.91,1119.95 598.91,1122.83 598.21,1123.54 598.21,1126.42 604.9,1126.42 606.93,1124.38 606.93,1123.38 608.97,1121.35 610.97,1121.35 613.01,1123.38 613.01,1124.38 615.05,1126.42 617.05,1126.42 619.09,1124.38 623.09,1124.38 625.13,1126.42 627.13,1126.42 629.17,1124.38 629.17,1123.38 631.2,1121.35 633.2,1121.35 636.4,1124.54 675.94,1124.54 684.57,1115.91 684.57,1108 685.74,1106.82 688.22,1106.82 689.63,1105.41 689.63,1102.53 685.34,1098.23 685.34,1095.35 686.75,1093.93 689.63,1093.93 690.34,1094.64 693.22,1094.64 693.22,1088.21 691.18,1086.18 690.18,1086.18 688.15,1084.14 688.15,1082.14 690.18,1080.1 696.26,1080.1 698.29,1078.07 698.29,1076.06 696.26,1074.03 690.18,1074.03 688.15,1071.99 688.15,1069.99 690.18,1067.95 691.18,1067.95 693.22,1065.91 697.17,1061.96 697.17,1059.08 696.47,1058.37 696.47,1055.49 697.88,1054.07 700.76,1054.07 705.06,1058.37 707.94,1058.37 709.35,1056.96 709.35,1054.07 705.06,1049.78 705.06,1046.9 706.47,1045.48 709.35,1045.48 713.65,1049.78 716.53,1049.78 717.95,1048.36 717.95,1045.48 713.65,1041.19 713.65,1038.31 715.07,1036.89 717.95,1036.89 718.65,1037.6 721.54,1037.6 v1(727.24,1031.9)
DRAMB_SDQS0_C: U1.Y1 U2.E3 | length 741.9
  L1_TOP w2.3: v1(338.58,972.29) 340.44,972.29 351.71,983.56 U2.E3@353.57,983.56 ; v1(643.17,1034.98) 643.17,1034.26 650.65,1026.78 654.54,1026.78 656.98,1024.34 661.53,1024.34 U1.Y1@668.98,1031.79
  L8_BOT w2.3: v1(338.58,972.29) v1(338.58,972.29) 338.53,961.47 339.94,960.06 350.81,960.06 362.56,948.31 366.61,944.26 368.96,944.26 372.27,947.56 374.62,947.56 378.14,944.04 378.14,941.69 374.83,938.39 374.83,936.04 381.51,929.36 389.82,921.05 408.22,921.05 410.78,921.05 412.44,922.71 412.44,924.16 416.91,928.63 425.87,928.63 430.34,924.16 430.34,862.29 432,860.63 436.98,860.63 438.64,862.29 438.64,924.16 443.11,928.63 452.07,928.63 456.54,924.16 456.54,892.82 458.2,891.16 463.18,891.16 464.84,892.82 464.84,916.58 469.31,921.05 483.39,921.05 ; 485.16,921.3 485.4,921.06 488.6,921.06 492.87,925.33 492.87,939.93 499.37,946.43 506.42,946.43 512.27,940.58 514.17,940.58 519.07,945.48 519.07,960.51 526.2,967.64 532.08,967.64 542.43,957.3 547.82,957.3 551.07,960.55 551.07,964.89 540.59,975.38 540.59,982.17 545.17,986.75 570.89,986.75 572.52,988.38 572.52,991.49 561.95,1002.06 561.95,1010.08 567.94,1016.08 576.16,1016.08 588.52,1003.72 595.65,1003.72 597,1005.07 597,1020.61 601.16,1024.77 611.65,1024.77 627.28,1024.77 627.36,1024.78 627.45,1024.79 627.53,1024.8 ; 627.55,1024.82 627.61,1024.82 ; 627.63,1024.84 627.69,1024.84 627.78,1024.86 ; 627.8,1024.89 627.86,1024.89 ; 627.88,1024.91 627.94,1024.91 ; 627.96,1024.94 628.47,1024.94 628.64,1024.77 634.43,1027.07 639.37,1030.81 643.79,1034.16 643.79,1034.36 v1(643.17,1034.98)
DRAMB_SDQS0_T: U1.AA1 U2.D3 | length 734.2
  L1_TOP w2.3: v1(338.49,943.03) 338.56,943.03 353.5,957.97 U2.D3@353.57,957.97 ; v1(643.56,1013.78) 643.56,1014.89 650.65,1021.98 652.56,1021.98 654.99,1019.55 661.53,1019.55 U1.AA1@668.98,1012.1
  L8_BOT w2.3: v1(338.49,943.03) 338.53,943.08 338.53,953.85 339.94,955.26 348.82,955.26 387.83,916.25 408.22,916.25 412.77,916.25 417.24,920.72 417.24,922.17 418.9,923.83 423.88,923.83 425.54,922.17 425.54,860.3 430.01,855.83 438.97,855.83 443.44,860.3 443.44,922.17 445.1,923.83 450.08,923.83 451.74,922.17 451.74,890.84 456.21,886.36 465.17,886.36 469.64,890.84 469.64,914.59 471.3,916.25 483.39,916.25 ; 485.16,916 485.41,916.26 490.59,916.26 497.67,923.34 497.67,937.94 501.36,941.63 504.43,941.63 510.28,935.78 516.16,935.78 523.87,943.49 523.87,958.52 528.19,962.84 530.1,962.84 540.44,952.5 549.81,952.5 555.87,958.56 555.87,966.88 545.39,977.37 545.39,980.18 547.15,981.95 572.87,981.95 577.32,986.39 577.32,993.47 566.75,1004.04 566.75,1008.09 569.93,1011.28 574.17,1011.28 586.53,998.92 597.64,998.92 601.8,1003.08 601.8,1018.62 603.15,1019.97 613.64,1019.97 626.64,1019.97 629.1,1019.97 629.18,1019.97 629.27,1019.97 629.35,1019.98 629.43,1019.99 629.52,1020 629.6,1020.02 629.68,1020.04 629.76,1020.06 629.84,1020.09 629.92,1020.11 629.98,1020.14 636.2,1022.61 640.9,1019.17 645.2,1016.02 643.56,1014.38 v1(643.56,1013.78)